# KiCad board LOKUM_PC_ALLWINNER-A64.kicad_pcb (continued)
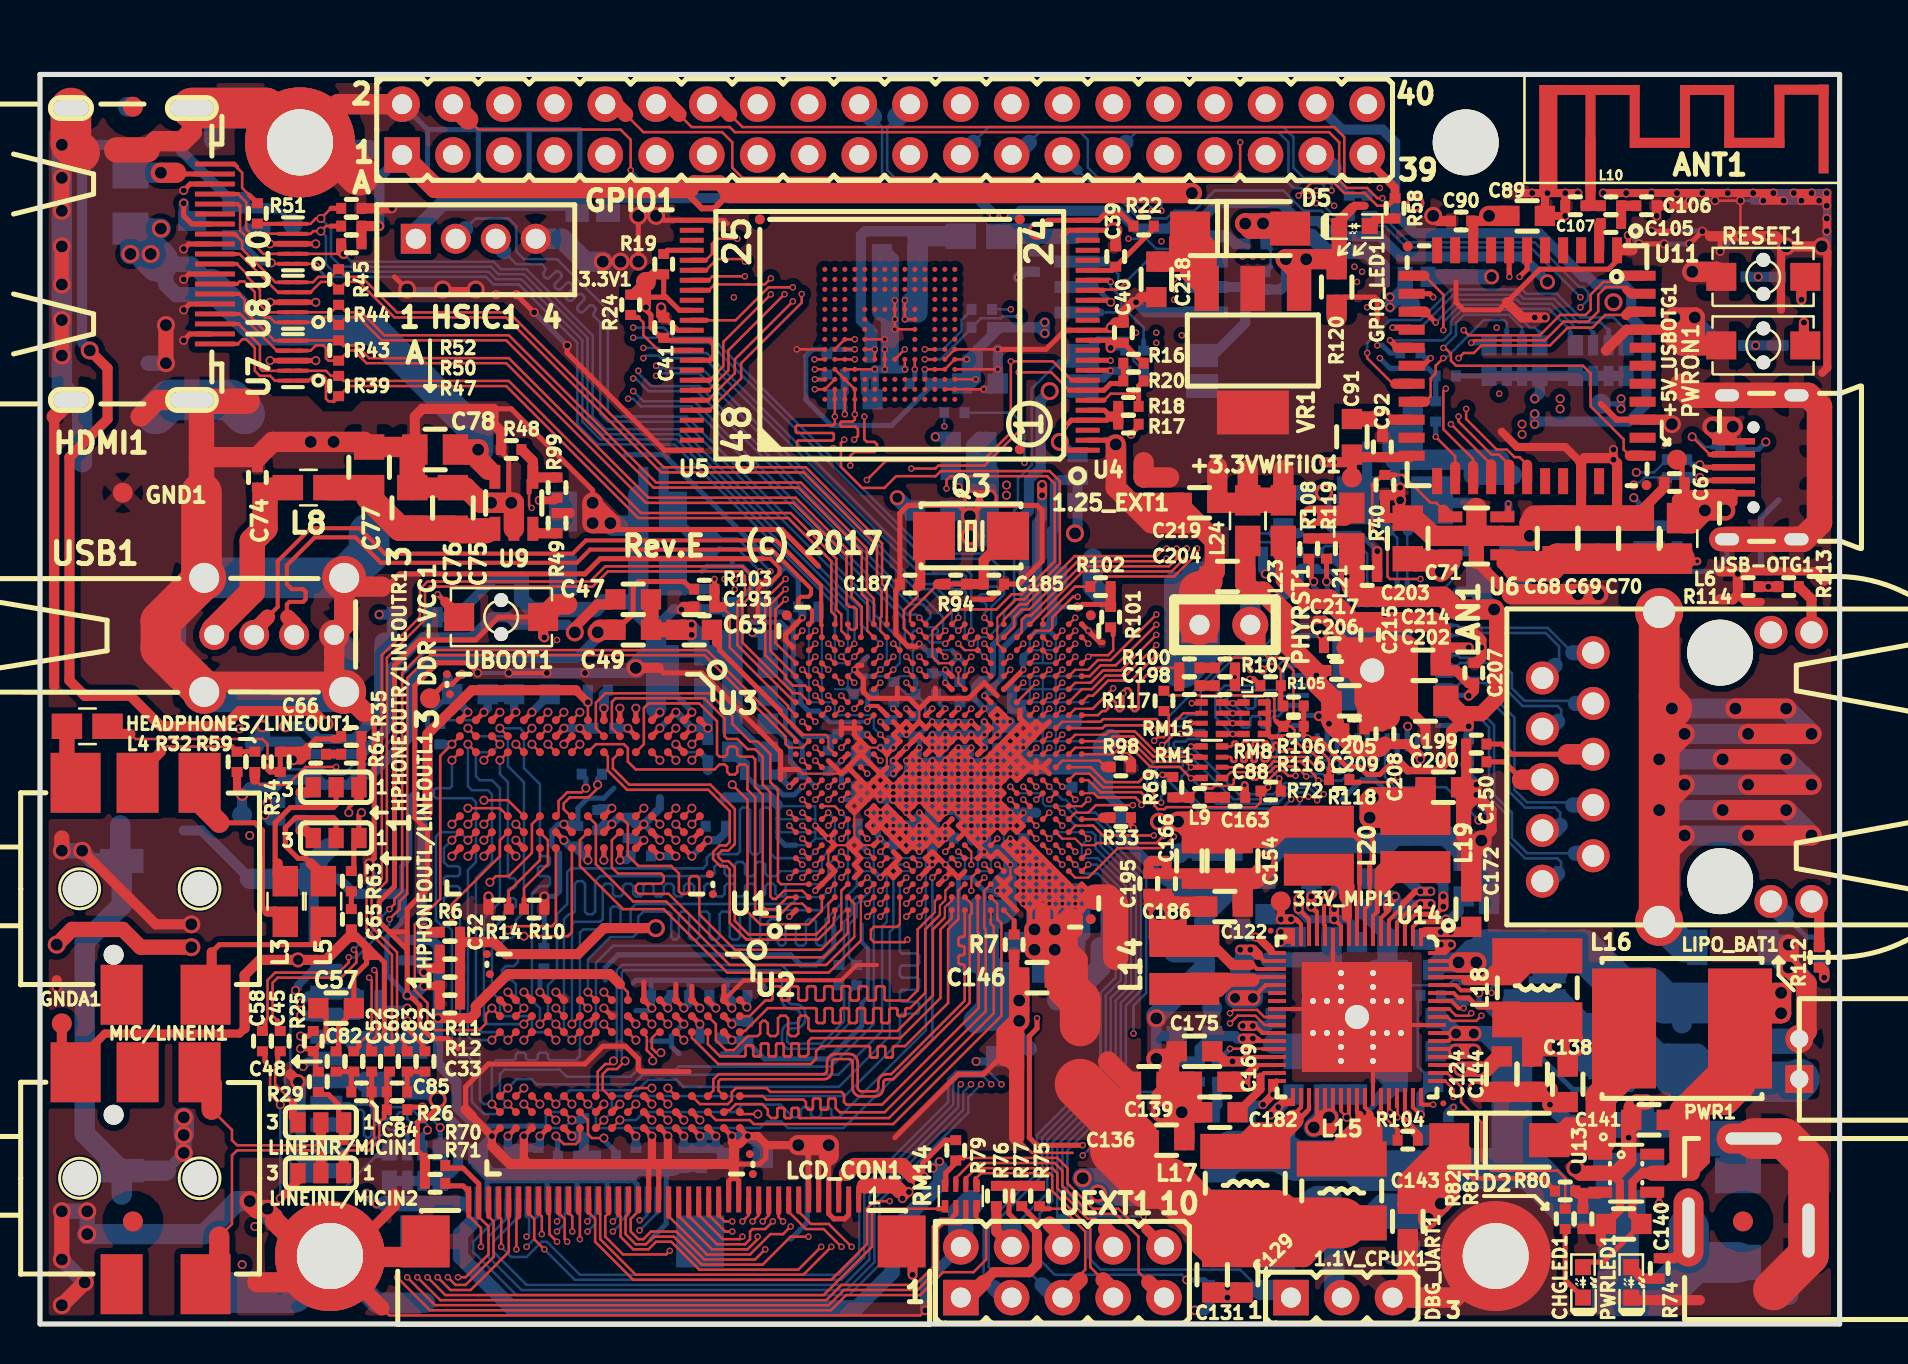
[diagram p0: board, top side]
## Routing (per net, layer and track width the routed paths; a pad name or vN(x,y) marks a point on that pad's centre or on a via; arc(x,y) is an arc through that point) (continued)
  Bottom w0.107: U1.V10 50,26.55 50.15,26.4 50.15,26.05 50.3,25.9 51.28,25.9 51.94,25.25 52.43,25.25
  Bottom w0.127: 61.04,1.7 60.02,2.72 53.03,2.72 52.4,3.35 52.4,4.88 51.13,6.15 51.13,8.81 54.31,11.99 54.31,15.93 55.07,16.69 55.07,22.28 53.29,24.05 53.29,24.69 52.73,25.25 52.43,25.25 ; v5(48.53,26.88) U1.V10
  Bottom w1.016: 61.04,1.7 62.18,1.7 DBG_UART1.1
Net-(FET1-Pad3): length 3.2
  Top w0.254: v3(7.19,56.06) 7.19,55.42 7.59,55.02 8.55,55.02
  Bottom w0.508: v3(7.19,56.06) 7.19,55.59 FET1.3
Net-(FUSE1-Pad2): length 4.1
  Top w0.254: 6.81,57.58 6.87,57.52 8.55,57.52
  Top w1.016: v2(6.05,57.58) 6.81,57.58
  Bottom w1.016: v2(6.05,57.58) 4.52,57.58 FUSE1.2
Net-(GPIO_LED1-Pad2): length 1.4
  Top w0.508: R58.2 66.88,55.3 GPIO_LED1.2
Net-(HDMI1-Pad19): length 3.6
  Top w0.127: 10.49,56.44 10.11,56.82 10.11,57.58 9.86,57.84 9.86,57.89
  Top w0.203: 9.86,57.89 9.72,58.02 8.55,58.02
  Top w0.254: 10.49,56.44 R51.2
Net-(HEADPHONES/LINEOUT1-Pad1): length 9.2
  Top w0.254: 8.58,18.59 8.97,18.97 13.67,18.97 13.79,19.1
  Top w0.508: 13.79,19.23 13.79,19.1 13.79,19.74 L5.2 ; 8.58,18.59 8.58,16.77 HEADPHONES/LINEOUT1.1 ; 8.28,16.21 8.28,16.46
Net-(HEADPHONES/LINEOUT1-Pad2): length 3.5
  Top w0.508: 1.78,26.81 1.78,26.29
  Top w0.762: L4.2 1.35,27.5 HEADPHONES/LINEOUT1.2
Net-(HEADPHONES/LINEOUT1-Pad3): length 9.9
  Top w0.254: 8.97,25.07 10.74,25.07 11.12,24.69 11.12,20.88 11.38,20.62
  Top w0.508: 11.38,20.62 11.76,20.62 L3.2 12.14,20.12 ; 7.98,26.81 7.98,26.06
  Top w1.016: 7.98,26.06 8.97,25.07
Net-(HEADPHONES/LINEOUT1-Pad4): length 7.6
  Top w0.127: 9.6,28.88 6.3,28.88 6.05,28.63
  Top w0.254: 9.6,28.88 R32.1 R59.1
  Top w0.508: 4.88,27.46 6.05,28.63
  Top w0.762: HEADPHONES/LINEOUT1.4 4.88,27.46
  Top w1.016: 4.88,26.81 4.88,27.46
Net-(HPHONEOUTL/LINEOUTL1-Pad2): length 7.7
  Top w0.203: L5.1 14.43,22.4
  Top w0.254: 13.54,23.04 13.28,23.29 12.9,23.29 12.27,23.93 12.27,24.82 12.78,25.32 14.68,25.32 14.81,25.2 HPHONEOUTL/LINEOUTL1.2
  Top w0.508: 13.54,23.04 14.17,22.4 L5.1
Net-(HPHONEOUTR/LINEOUTR1-Pad2): length 7.7
  Top w0.203: L3.1 12.27,22.4
  Top w0.254: 11.89,23.04 11.76,23.17 11.76,25.07 12.52,25.83 14.68,25.83 14.81,25.96 HPHONEOUTR/LINEOUTR1.2
  Top w0.508: 11.89,23.04 11.89,22.53 L3.1
Net-(HSIC1-Pad1): length 9.1
  Bottom w0.762: HSIC_E1.2 26.75,56.06 20.14,56.06 18.79,54.71 HSIC1.1
Net-(HSIC1-Pad2): length 37.5
  Top w0.127: v5(42.68,32.72) U1.H19
  Bottom w0.107: 43,33.05 43,34.11 43,34.22
  Bottom w0.127: 21.28,54.79 21.79,55.3 23.44,55.3 23.83,54.91 23.83,53.65 24.21,53.26 25.86,53.26 28.4,50.72 28.4,45.64 28.65,45.39 32.33,45.39 41.73,35.99 41.73,35.48 43,34.22 ; v5(42.68,32.72) 43,33.05
  Bottom w0.762: 21.28,54.79 20.79,54.3 HSIC1.2
Net-(HSIC1-Pad3): length 37.5
  Top w0.127: v5(42.03,32.72) U1.G19
  Bottom w0.107: 42.35,33.05 42.35,34.34
  Bottom w0.127: 23.19,53.65 23.83,53.01 25.09,53.01 25.22,52.88 25.25,52.85 25.26,52.82 25.27,52.78 25.27,52.74 25.26,52.7 25.25,52.67 25.2,52.6 25.18,52.57 25.17,52.53 25.17,52.49 25.18,52.45 25.2,52.42 25.22,52.39 25.26,52.35 25.29,52.33 25.32,52.31 25.36,52.3 25.4,52.3 25.44,52.31 25.47,52.33 25.5,52.35 25.75,52.6 25.78,52.62 25.82,52.64 25.86,52.65 25.9,52.65 25.93,52.64 25.97,52.62 26,52.6 26.04,52.56 26.06,52.53 26.08,52.5 26.09,52.46 26.09,52.42 26.08,52.38 26.06,52.35 26.04,52.32 25.79,52.07 25.76,52.04 25.75,52 25.74,51.97 25.74,51.93 25.75,51.89 25.76,51.85 25.79,51.82 25.82,51.79 25.85,51.76 25.89,51.75 25.93,51.74 25.97,51.74 26,51.75 26.04,51.76 26.07,51.79 26.32,52.03 26.35,52.06 26.38,52.08 26.42,52.08 26.46,52.08 26.5,52.08 26.53,52.06 26.57,52.03 26.6,52 26.63,51.97 26.64,51.93 26.65,51.89 26.65,51.86 26.64,51.82 26.63,51.78 26.6,51.75 26.35,51.5 26.33,51.47 26.31,51.44 26.3,51.4 26.3,51.36 26.31,51.32 26.33,51.29 26.35,51.26 26.39,51.22 26.42,51.2 26.45,51.18 26.49,51.17 26.53,51.17 26.57,51.18 26.61,51.2 26.64,51.22 26.88,51.47 26.91,51.49 26.95,51.51 26.99,51.52 27.03,51.52 27.07,51.51 27.1,51.49 27.13,51.47 27.17,51.43 27.19,51.4 27.21,51.37 27.22,51.33 27.22,51.29 27.21,51.25 27.19,51.22 27.17,51.19 26.92,50.94 26.89,50.91 26.88,50.87 26.87,50.83 26.87,50.8 26.88,50.76 26.89,50.72 26.92,50.69 26.95,50.66 26.99,50.63 27.02,50.61 27.06,50.61 27.1,50.61 27.14,50.61 27.17,50.63 27.2,50.66 27.45,50.9 27.48,50.93 27.52,50.94 27.55,50.95 27.59,50.95 27.63,50.94 27.67,50.93 27.7,50.9 27.73,50.87 27.76,50.84 27.77,50.8 27.78,50.76 27.78,50.72 27.77,50.69 27.76,50.65 27.71,50.59 27.69,50.55 27.68,50.52 27.68,50.48 27.69,50.44 27.71,50.4 27.73,50.37 28.02,50.09 28.02,45.52 28.4,45.14 32.21,45.14 41.48,35.86 41.48,35.21 42.35,34.34 ; v5(42.03,32.72) 42.35,33.05
  Bottom w0.762: 23.19,53.65 22.79,54.04 HSIC1.3
Net-(L9-Pad2): length 10.7
  Top w0.127: v5(62.8,27.42) 62.42,27.42 62.18,27.66 61.89,27.66 61.46,27.23 61.29,27.23 61.16,27.36 60.97,27.36 60.85,27.23 60.66,27.23 60.53,27.36 59.83,27.36 59.7,27.23 59.7,27.04 59.58,26.91 58.75,26.91 58.62,26.79 58.43,26.79 58.31,26.91 58.03,26.91 57.48,26.36 L9.2
  Top w0.508: R69.2 L9.2
  Bottom w0.127: U15.24 63.87,28.77 63.29,28.18 62.24,28.18 62.18,28.12 62.18,27.93 62.24,27.86 62.6,27.86 62.8,27.67 v5(62.8,27.42)
Net-(L14-Pad1): length 7.5
  Top w0.203: 60.66,17.2 60.81,17.35 U14.21
  Top w0.406: L14.1 57.42,16.56 59,16.56 59.38,16.94 59.38,17.2
  Top w0.66: 60.66,17.2 59.38,17.2
  Top w0.762: L14.1 57.66,17.2 59.38,17.2
Net-(L15-Pad1): length 8.2
  Top w0.203: 66.5,10.47 66.5,10.59 66.26,10.83 U14.44 ; 65.99,10.47 65.86,10.59 U14.43
  Top w0.406: 66.5,10.47 66.5,9.83 66.37,9.7 65.99,10.08 65.99,10.47
  Top w0.762: 66.37,9.7 65.74,9.7 65.1,9.07 L15.1
  Top w1.524: 66.37,9.7 66.37,9.19 65.43,8.25 L15.1
Net-(L17-Pad1): length 8.7
  Top w0.203: 63.39,10.66 63.46,10.73 U14.37 ; U14.36 63.06,10.84 62.69,10.47 62.69,10.21 62.81,10.34
  Top w0.254: 63.39,10.66 63.07,10.34 62.81,10.34
  Top w0.762: 62.18,9.7 60.78,9.7 60.27,9.19 L17.1
  Top w1.016: 62.69,10.21 61.11,8.64 L17.1
Net-(L18-Pad2): length 8.8
  Top w0.203: 71.32,17.2 71.16,17.35 U14.65
  Top w0.508: 71.32,17.2 72.21,17.2 ; 72.21,17.2 72.59,17.2 72.72,17.32 ; 72.21,17.2 73.43,18.42 74.88,18.42
  Top w0.762: 72.72,17.32 73.79,17.32 74.88,18.42
Net-(L19-Pad1): length 8.8
  Top w0.203: 66.88,20.62 66.66,20.41 U14.7
  Top w0.254: 66.88,20.62 66.88,21.39 ; 66.88,21.39 66.88,21.64 67.13,21.89 ; 66.88,21.39 66.88,21.89 67.13,21.89 ; 66.88,21.39 67.13,21.64 67.13,21.89
  Top w0.508: L19.1 67.2,22.85 67,22.66 67,22.02 67.13,21.89
  Top w0.762: 67.13,21.89 68.09,22.85 L19.1
Net-(L20-Pad1): length 4.3
  Top w0.203: 65.35,20.37 65.35,20.24 65.46,20.14 U14.10
  Top w0.508: 65.35,20.37 65.35,21.39
  Top w0.762: L20.1 64.52,22.73 65.35,21.89 65.35,21.39
Net-(LINEINL/MICIN2-Pad2): length 13.8
  Top w0.127: 8.97,4.37 9.6,5 9.6,8.43 9.86,8.69 13.79,8.69 14.05,8.43
  Top w0.254: LINEINL/MICIN2.2 14.05,7.8
  Top w0.508: LINEINL/MICIN2.2 14.05,8.43
  Top w1.016: 8.97,4.37 8.97,2.67 MIC/LINEIN1.1 7.57,2.7
Net-(LINEINR/MICIN1-Pad2): length 10.2
  Top w0.127: 8.58,10.72 9.6,9.7 9.6,9.19 9.86,8.94 13.79,8.94 14.05,9.19
  Top w0.508: LINEINR/MICIN1.2 14.05,9.19
  Top w0.762: MIC/LINEIN1.3 7.98,12.02
  Top w1.016: 8.58,10.72 8.58,11.99 MIC/LINEIN1.3
Net-(MICRO_SD1-Pad5): length 62.6
  Top w0.254: v5(54.69,24.82) 54.56,24.94 R33.1
  In3.Cu w0.127: v3(13.16,12.88) 13.54,12.5 13.54,9.45 13.92,9.07 17.73,9.07 18.52,8.28 18.52,8.08 18.34,7.91 18.34,7.71 18.54,7.52 18.73,7.52 19.28,8.07 19.47,8.07 19.67,7.87 19.67,7.68 19.12,7.13 19.12,6.93 19.31,6.74 19.51,6.74 20.06,7.29 20.25,7.29 20.45,7.09 20.45,6.9 20.27,6.72 20.27,6.53 20.52,6.27 33.22,6.27 34.24,7.29 39.7,7.29 43.38,10.97 44.15,10.97 45.8,12.62 48.63,12.62 54.43,18.42 54.43,24.56 v5(54.69,24.82)
  Bottom w0.406: v3(13.16,12.88) 13.41,13.13 14.17,13.13 14.31,13.27
Net-(NAND_E1-Pad2): length 3.6
  Top w0.254: v5(53.54,47.68) 53.51,47.7 U4.9
  Bottom w0.406: NAND_E1.2 52.53,47.3 53.16,47.3 v5(53.54,47.68) R15.1
Net-(PWRLED1-Pad2): length 1.6
  Top w0.508: PWRLED1.2 80.15,2.27 R74.2
Net-(PWRON1-Pad1): length 2.3
  Top w0.508: v3(88.21,50.09) 88.21,49.01 PWRON1.1
  Bottom w0.508: v3(88.21,50.09) R91.1
Net-(R3-Pad2): length 4.5
  Top w0.127: v5(41.38,21.03) U1.G2
  Bottom w0.127: v5(41.38,21.03) 41.27,21.13 40.97,21.13 40.84,21.01 40.84,20.37 40.46,19.99 40.46,18.34 R3.2
Net-(R4-Pad2): length 5
  Top w0.127: v5(41.38,21.67) U1.G3
  Bottom w0.127: v5(41.38,21.67) 41.38,21.54 41.22,21.39 40.84,21.39 40.59,21.13 40.59,20.5 40.21,20.12 40.21,18.21 R4.2
Net-(R7-Pad2): length 1.4
  Top w0.127: U1.U1 48.72,20.18
  Top w0.254: 48.72,20.18 R7.2
Net-(R9-Pad1): length 3.3
  Top w0.127: v3(28.2,9.3) 27.6,9.3 27.4,9.5 27.4,10.2 U2.L8
  Bottom w0.254: v3(28.2,9.3) 28.2,9.2 28.81,8.59 R9.1
Net-(R10-Pad1): length 4.5
  Top w0.127: 24.21,21.26 24.21,21.81 25.4,23 25.4,24.2 U3.L8
  Top w0.254: 24.21,21.26 R10.1
Net-(R13-Pad1): length 3.1
  Top w0.127: v3(25.8,9.4) 26.2,9 26.8,9 27,9.2 U2.L9
  Bottom w0.254: R13.1 25.89,9.31 v3(25.8,9.4)
Net-(R14-Pad1): length 3.7
  Top w0.127: 23.44,21.26 23.44,21.64 25,23.2 U3.L9
  Top w0.254: 23.44,21.26 R14.1
Net-(R18-Pad1): length 4.1
  Top w0.127: 54.94,46.53 53.54,46.53 53.21,46.2
  Top w0.254: R20.2 54.94,46.91 R18.1 ; U4.6 53.21,46.2
Net-(R19-Pad1): length 1.5
  Top w0.254: R19.1 31.38,53.7 U4.28
Net-(R24-Pad2): length 4.2
  Top w0.127: 29.92,50.34 30.18,50.09 30.18,49.45 30.93,48.7 31.7,48.7
  Top w0.254: 31.69,48.7 U4.38 ; 29.92,50.34 29.67,50.34 R24.2
Net-(R41-Pad2): length 1.4
  Top w0.254: v5(73.43,41.02) 73.43,40.67 U6.3
  Bottom w0.406: v5(73.43,41.02) 73.43,40.49 R41.2
Net-(R49-Pad2): length 1.3
  Top w0.508: R49.2 24.87,39.55 U9.3
Net-(R54-Pad1): length 1.7
  Top w0.254: v5(69.54,48.31) 69.16,47.93 U11.17
  Bottom w0.254: v5(69.54,48.31) 69.29,48.31 R54.1
Net-(R55-Pad1): length 7.4
  Bottom w0.508: R55.1 60.15,51.87 U12.3 ; R55.1 60.27,50.07 58.64,48.44 WP_Enable1.2 ; R55.1 R56.1
Net-(R57-Pad1): length 6.7
  Bottom w0.127: 55.19,49.2 55.19,49.84 54.31,50.72 54.31,51.49 53.92,51.87 53.92,52.5 53.29,53.14
  Bottom w0.254: 55.19,49.2 R57.1
  Bottom w0.508: U12.7 53.29,53.14
Net-(R60-Pad1): length 3.4
  Top w0.127: 70.77,42.89 70.77,43.4 v5(69.8,44.37)
  Top w0.508: U11.24 70.77,42.89
  Bottom w0.254: R60.1 v5(69.8,44.37)
Net-(R66-Pad1): length 8.6
  Top w0.127: U5.H5 v5(43.25,48.75)
  In3.Cu w0.127: v5(45.22,44.9) 45.22,47.61 45.1,47.74 44.72,47.74 44.59,47.87 44.59,48.12 44.72,48.25 45.1,48.25 45.22,48.37 45.22,48.63 45.1,48.76 44.73,48.76 44.59,48.9 44.59,49.07 44.41,49.25 43.75,49.25 v5(43.25,48.75)
  Bottom w0.127: v5(45.22,44.9) R66.1
Net-(R68-Pad1): length 4
  Top w0.127: U5.M6 v5(44.25,48.75)
  Bottom w0.127: v5(44.25,48.75) 45.17,48.75 46.09,49.67 46.09,50.23 46.59,50.73 R68.1
Net-(R72-Pad2): length 4.9
  Top w0.254: R72.2 61.98,26.73 v5(61.98,27.28) 61.99,27.28
  Bottom w0.127: 63.21,29.94 U15.25 62.32,29.94 61.61,29.22 61.61,28.94 61.85,28.7 61.85,28.36 61.61,28.12 61.61,27.66 v5(61.98,27.28)
Net-(R79-Pad2): length 14.2
  Top w0.127: 46.18,8.31 50.88,8.31 51.38,7.8 51.38,7.04 52.65,5.77 53.92,5.77 54.56,5.13 54.94,5.13 55.32,4.75
  Top w0.254: 45.3,6.91 45.3,7.56 45.8,8.05 R79.2 45.92,8.31 46.18,8.31
  Top w0.508: 55.32,4.75 UEXT1.10
Net-(R80-Pad2): length 2.1
  Top w0.508: 77.16,6.53 77.96,6.53 U13.3 ; 77.16,6.53 R81.1 ; 77.16,6.53 76.91,6.53 R80.2
Net-(R82-Pad1): length 11.7
  Top w0.127: 70.38,12.55 71.07,11.86 71.07,11.1 72.09,10.08 72.09,8.18 72.59,7.67 75.9,7.67 76.28,7.29 R82.1
  Top w0.203: U14.53 70.38,12.55
Net-(R83-Pad1): length 3.3
  Top w0.127: v5(59.51,13.77) 61.15,13.77 61.16,13.75
  Top w0.203: 61.18,13.75 61.16,13.75 U14.30
  Bottom w0.254: R83.1 v5(59.51,13.77)
Net-(R86-Pad1): length 46.1
  Top w0.127: U14.26 61.23,15.35 60.87,15.71 59.68,15.71 v5(59.51,15.55)
  In2.Cu w0.127: v3(79.83,42.6) 79.58,42.34 75.51,42.34 73.74,40.56 72.85,40.56 71.58,39.29 69.93,39.29 68.4,37.77 68.4,36.63 67.89,36.12 67.89,30.78 67.08,29.97 67.08,26.83 67.28,26.64 67.28,25.09 66.88,24.69 65.86,24.69 65.35,24.18 65.35,20.24 64.85,19.74 63.45,19.74 61.29,17.58 61.29,15.93 61.04,15.67 59.64,15.67 v5(59.51,15.55)
  Bottom w0.127: R86.1 80.72,42.6 v3(79.83,42.6)
Net-(R87-Pad1): length 46.1
  Top w0.127: v5(59.51,15.04) 59.89,15.42 60.78,15.42 61.25,14.95 U14.27
  In2.Cu w0.127: v5(59.51,15.04) 59.89,15.42 61.16,15.42 61.54,15.8 61.54,17.45 63.58,19.48 64.97,19.48 65.61,20.12 65.61,24.05 65.99,24.44 67,24.44 67.51,24.94 67.51,26.73 67.34,26.91 67.34,29.85 68.15,30.66 68.15,35.99 68.66,36.5 68.66,37.64 70.05,39.04 71.7,39.04 72.97,40.31 73.86,40.31 75.64,42.09 79.26,42.09 79.39,41.96 v3(79.71,41.96)
  Bottom w0.127: R87.1 80.26,42.34 80,42.09 79.83,42.09 v3(79.71,41.96)
Net-(R89-Pad1): length 2.4
  Top w0.508: v3(88.09,51.23) 88.09,52.18 RESET1.1
  Bottom w0.508: v3(88.09,51.23) R89.1
Net-(R94-Pad1): length 3
  Top w0.127: 44.91,37.01 43.51,35.61 43.51,35.14 U1.K23
  Top w0.508: 44.91,37.01 R94.1
Net-(R96-Pad1): length 14.5
  Top w0.127: U1.H14 v5(42.03,29.47)
  Bottom w0.107: 39.1,31.1 38.57,31.1 38.45,31.22 38.45,34.87 38.94,35.36 38.94,35.26 39.1,35.1 39.1,31.1 ; 39.1,31.1 39.62,31.1 39.75,30.97 39.75,30.58 39.88,30.45 41.57,30.45 41.7,30.33 41.7,29.8
  Bottom w0.127: v5(42.03,29.47) 41.7,29.8
  Bottom w0.508: 38.94,35.36 R96.1
Net-(R97-Pad1): length 1
  Top w0.127: v5(51.12,26.88) U1.AA11
  Bottom w0.254: R97.1 51.15,26.85 v5(51.12,26.88)
Net-(R98-Pad1): length 3
  Top w0.107: 51.12,28.17 52.72,28.17
  Top w0.127: U1.AA12 51.12,28.17 ; 53.29,27.86 52.98,28.17 52.72,28.17
  Top w0.508: 53.54,27.86 53.29,27.86
Net-(R100-Pad2): length 7.5
  Top w0.127: R107.1 58.75,32.84 59.23,33.33 60.27,33.33 60.53,33.07 v5(60.53,32.71)
  Top w0.508: R100.2 R107.1
  Bottom w0.127: 62.4,34.94 62.18,34.72 62.18,34.09 61.29,33.2 60.45,33.2 60.36,33.1 60.36,32.88 v5(60.53,32.71)
  Bottom w0.254: 62.4,34.94 U15.35
Net-(R105-Pad2): length 5.4
  Top w0.127: R105.2 62.05,32.73 61.77,33.01 61.45,33.01 v3(61.14,32.71)
  Top w0.254: R105.2 62.05,31.04 R106.2
  Bottom w0.127: v3(61.14,32.71) 62.37,33.94 62.54,33.94
  Bottom w0.254: U15.33 62.54,33.94
Net-(R109-Pad2): length 4.2
  Bottom w0.127: R110.2 65.1,38.91 64.27,38.91 63.96,38.6
  Bottom w0.254: R110.2 65.87,38.14 U15.41
Net-(R111-Pad2): length 36.1
  Top w0.508: R112.2 89.04,17.83 89.23,17.64 v3(89.23,17.32) 89.23,17.58
  In3.Cu w0.127: v3(71.96,25.2) 71.45,24.69 71.45,20.62 74.75,17.32 84.15,17.32 86.56,19.74 88.59,19.74 89.23,19.1 v3(89.23,17.32)
  Bottom w0.127: 67.26,28.5 67.26,27.36 67.77,26.85 70.31,26.85 v3(71.96,25.2)
  Bottom w0.203: 67.26,28.5 67.37,28.61 U15.17
  Bottom w0.508: v3(89.23,17.32) 89.23,17.83 88.98,18.08
Net-(R113-Pad2): length 33.3
  Top w0.508: R113.2 v3(86.44,36.88) R114.2
  In2.Cu w0.127: v3(68.4,29.9) 68.66,30.15 68.66,35.74 69.42,36.5 69.42,38.02 70.05,38.66 74.75,38.66 76.4,40.31 80.21,40.31 81.36,41.45 84.53,41.45 84.66,41.58 86.06,41.58 86.31,41.33 86.31,37.01 v3(86.44,36.88)
  Bottom w0.254: v3(68.4,29.9) 68.37,29.87 U15.15
Net-(R115-Pad1): length 4.1
  Bottom w0.127: 69.54,36.75 70.18,36.75 70.81,37.39 70.81,38.28 71.07,38.53
  Bottom w0.254: 69.54,36.75 69.37,36.58 U15.48 ; 71.07,38.53 71.32,38.53 R115.1
Net-(R119-Pad1): length 2
  Top w0.254: v3(64.34,37.13) R119.1
  Bottom w0.254: v3(64.34,37.13) 64.37,37.1 U15.38
Net-(RM1-Pad1.1): length 9.6
  Top w0.127: v5(63.32,27.39) 62.82,27.9 61.79,27.9 61.5,27.6 59.55,27.6 59.26,27.31 RM1.1.1
  Bottom w0.127: v5(63.32,27.39) 63.61,27.39 63.74,27.52 64.13,27.52 64.21,27.43 64.39,27.43 64.59,27.64 64.8,27.64 64.9,27.53 65.02,27.53 65.1,27.61 65.1,27.74 64.97,27.86 64.97,27.99 65.04,28.05 65.16,28.05 65.32,27.9 65.39,27.9 65.47,27.98 65.47,28.07 65.29,28.25 65.29,28.35 65.37,28.44 65.48,28.44 65.61,28.31 65.8,28.31 65.87,28.38 U15.20
Net-(RM1-Pad2.1): length 9
  Top w0.127: RM1.2.1 61.42,27.85 61.7,28.13 63.06,28.13 63.77,27.41 63.77,27.35 v5(63.94,27.18)
  Bottom w0.127: v5(63.94,27.18) 65.1,27.18 66.37,28.46 U15.19
Net-(RM1-Pad3.1): length 9.9
  Top w0.127: v5(63.94,27.85) 63.81,27.85 63.3,28.36 61.6,28.36 61.38,28.14 61.18,28.14 61.1,28.22 61.1,28.49 61.02,28.56 60.92,28.56 60.85,28.49 60.85,28.18 60.78,28.12 60.66,28.12 60.59,28.18 60.59,28.56 60.53,28.63 60.4,28.63 60.34,28.56 60.34,28.18 60.27,28.12 60.15,28.12 60.08,28.18 60.08,28.56 60.02,28.63 59.89,28.63 59.83,28.56 59.83,28.18 59.77,28.12 59.64,28.12 59.58,28.18 59.58,28.31 59.52,28.36 59.12,28.36 59.11,28.35 RM1.3.1
  Bottom w0.127: U15.21 65.37,28.77 64.46,27.85 v5(63.94,27.85)
Net-(RM1-Pad4.1): length 9
  Top w0.127: RM1.4.1 59.58,28.89 59.64,28.95 59.64,29.07 59.7,29.13 59.83,29.13 59.89,29.07 59.89,28.94 59.95,28.89 60.09,28.89 60.15,28.94 60.15,29.07 60.21,29.13 60.34,29.13 60.4,29.07 60.4,28.95 60.46,28.89 60.6,28.89 60.66,28.94 60.66,29.07 60.72,29.13 60.85,29.13 60.91,29.07 60.91,28.95 60.97,28.89 61.11,28.89 61.16,28.94 61.16,29.07 61.23,29.13 61.35,29.13 61.42,29.07 61.42,28.69 61.48,28.63 61.61,28.63 61.67,28.69 61.67,29.01 61.73,29.07 61.86,29.07 61.93,29.01 61.93,28.69 61.99,28.63 62.31,28.63 62.43,28.75 62.62,28.75 62.78,28.6 63.61,28.6 v5(63.92,28.28)
  Bottom w0.127: v5(63.92,28.28) 64.02,28.19 64.34,28.19 64.87,28.72 U15.22
Net-(RM14-Pad1.1): length 11.7
  Top w0.127: 53.16,2.21 52.53,2.84 52.53,4.75 50.62,6.66 50.62,7.42 50.5,7.54 47.07,7.54 46.8,7.28
  Top w0.254: 46.8,6.91 46.8,7.28
  Top w0.762: 53.16,2.21 53.67,1.7 UEXT1.7
Net-(RM14-Pad2.1): length 10.3
  Top w0.127: 46.3,7.29 46.81,7.8 50.62,7.8 50.88,7.54 50.88,6.78 52.4,5.26 52.78,5.26 53.29,4.75
  Top w0.254: RM14.2.1 46.3,7.29
  Top w0.762: 53.29,4.75 53.67,4.37 UEXT1.8
Net-(RM14-Pad3.1): length 15.4
  Top w0.127: 55.45,2.08 54.94,2.59 54.94,4.37 53.8,5.51 52.53,5.51 51.13,6.91 51.13,7.67 50.75,8.05 46.56,8.05 45.8,7.29
  Top w0.254: 45.8,7.29 45.8,7.17 45.8,7.17 RM14.3.1
  Top w0.762: 55.45,2.08 UEXT1.9
Net-(RM15-Pad1.1): length 8.5
  Top w0.254: RM8.1.2 v5(59.65,29.51) RM15.1.1
  Bottom w0.127: 62.43,33.44 60.93,31.93 59.25,31.93 58.78,31.46 58.78,30.35 59.62,29.51 v5(59.65,29.51)
  Bottom w0.254: 62.42,33.44 U15.32
Net-(RM15-Pad2.1): length 7.8
  Top w0.254: RM15.2.1 v5(59.65,30.05) RM8.2.2
  Bottom w0.127: v5(59.65,30.05) 59.02,30.68 59.02,31.3 59.42,31.7 62.05,31.7 62.18,31.83 62.18,32.69 62.43,32.94
  Bottom w0.254: 62.43,32.94 U15.31
Net-(RM15-Pad3.1): length 7.9
  Top w0.254: RM8.3.2 v5(59.65,30.55) RM15.3.1
  Bottom w0.127: 62.45,31.44 62.43,31.42 62.06,31.42 61.93,31.28 61.93,30.78 61.8,30.66 61.54,30.66 61.42,30.78 61.42,31.29 61.29,31.42 60.91,31.42 60.78,31.29 60.78,30.9 60.67,30.78 60.39,30.78 60.27,30.9 60.27,31.29 60.15,31.42 59.47,31.42 59.3,31.25 59.3,30.9 v5(59.65,30.55)
  Bottom w0.254: 62.45,31.44 U15.28
Net-(RM15-Pad4.1): length 7
  Top w0.254: RM8.4.2 60.15,31.05 v5(59.65,31.05) 59.15,31.05 RM15.4.1
  Bottom w0.127: 62.46,30.94 61.93,30.4 61.7,30.4 61.54,30.25 61.54,29.92 61.46,29.83 61.12,29.83 61.04,29.92 61.04,30.3 60.93,30.4 60.63,30.4 60.53,30.3 60.53,29.95 60.41,29.83 60.15,29.83 60.04,29.94 60.04,30.66 v5(59.65,31.05)
  Bottom w0.254: 62.46,30.94 U15.27
Net-(T1-Pad3): length 10.7
  Top w0.127: 70.27,12.15 70.69,11.73 v5(70.69,11.35)
  Top w0.203: U14.52 70.27,12.15
  In3.Cu w0.127: v5(72.59,16.56) 72.97,16.18 72.97,11.48 72.47,10.97 71.07,10.97 v5(70.69,11.35)
  Bottom w0.127: 72.99,17.21 72.59,16.81 v5(72.59,16.56)
  Bottom w0.356: 72.99,17.21 T1.3

## Copper pours and planes (outline as drawn; the poured copper is in the pictures)
1.1V_CPUX on Top: 51.13,18.47 49.61,18.21 49.61,9.32 49.73,9.19 51.89,9.19 51.89,7.92 54.69,5 56.34,5 57.48,3.86 57.48,2.84 63.83,2.84 63.83,5.89 62.94,6.78 58.88,6.78 55.7,8.18 55.07,9.83 55.07,23.8 54.94,23.8 54.94,24.56 52.65,24.56 52.65,22.28 51.13,22.28
1.1V_CPUX on In4.Cu: 48.84,14.78 52.02,14.78 52.02,22.02 51.38,22.02 49.1,24.31 47.45,24.31 47.45,23.8 48.84,22.4
1.1V_SYS on In4.Cu: 57.23,24.56 54.69,24.56 52.27,27.1 49.35,27.1 48.08,28.37 43.26,28.37 41.86,26.47 37.67,26.47 37.29,26.85 37.29,31.29 44.15,31.29 44.15,30.02 46.81,30.02 46.94,30.15 47.7,30.15 47.7,29.26 48.29,29.24 49.61,30.53 51.89,30.56 53.29,31.93 53.29,35.99 58.37,35.99 58.37,25.7
+1.5V on In4.Cu: 37.16,28.75 37.16,26.72 37.54,26.34 41.35,26.34 41.73,25.96 45.03,25.96 45.03,25.32 45.67,25.32 48.59,22.4 48.59,15.67 48.34,15.42 48.34,14.66 52.15,14.66 52.15,22.02 52.65,22.02 54.56,23.93 54.56,24.44 57.23,24.44 58.5,25.7 58.5,27.1 66.62,27.1 67.13,26.59 67.13,24.31 66.37,23.55 61.16,23.55 58.75,21.13 55.57,21.13 55.57,12.62 54.05,11.1 42.49,11.1 40.84,9.45 36.53,9.45 36.53,7.54 21.28,7.54 21.28,10.08 19.51,11.86 19.51,15.04 18.49,16.05 18.49,32.06 19.38,32.94 23.32,32.94 24.71,34.34 31.57,34.34
+3V3 on In4.Cu: 95.58,-4.14 -6.02,-4.14 -6.02,66.98 95.58,66.98
+3V3 on In4.Cu: 36.5,35.97 36.53,31.42 44.27,31.42 44.3,30.12 46.25,30.12 46.4,30.28 47.83,30.28 47.83,29.52 48.34,29.52 49.61,30.78 51.79,30.76 53.16,32.08 53.16,35.99 36.78,35.99
GND on Top: 105.99,-14.3 -15.93,-14.3 -15.93,77.14 105.99,77.14
GND on Top: 74.85,56.77 89.8,56.77 89.8,52.88 74.85,52.88
GND on Top: 52.91,19.74 37.16,19.74 37.29,34.09 35,34.09 35.13,38.15 37.92,38.15 37.92,35.48 52.91,35.48
GND on Bottom: 93.04,-1.6 -3.48,-1.6 -3.48,64.44 93.04,64.44
GND on Bottom: 53.57,19.82 37.06,19.82 37.16,36.5 53.67,36.5
GND on In1.Cu: 103.2,-11.76 -13.64,-11.76 -13.64,74.6 103.2,74.6
GND on In2.Cu: -11.1,72.06 -11.1,-9.22 100.66,-9.22 100.66,72.06
GND on In3.Cu: 98.12,-6.68 -8.56,-6.68 -8.56,69.52 98.12,69.52
GND on In4.Cu: 43.26,28.25 48.08,28.25 48.72,27.48 48.72,27.1 48.97,26.85 52.27,26.85 54.43,24.69 54.43,23.93 52.65,22.15 51.51,22.15 49.22,24.44 46.69,24.44 45.67,25.45 45.16,25.45 45.16,26.09 41.73,26.09
/USB&HDMI,WiFi&BT,Ethernet,LCD/1.25_EXT on Top: 67.51,57.27 57.35,57.2 57.35,50.6 54.56,50.6 54.69,41.96 56.46,40.18 64.72,40.18 64.72,46.02 67.51,46.02
IPS on In4.Cu: 60.02,19.1 59.26,18.34 59.26,12.12 62.18,9.19 69.29,9.19 71.07,10.97 71.07,11.99 72.21,13.13 72.21,17.2 72.47,17.45 72.47,18.34 71.96,18.85 70.31,18.85 70.05,19.1 70.05,21.89 67.51,21.89 67.13,21.51 62.94,21.51 62.69,21.01 60.78,19.1
Net-(C196-Pad2) on Top: 80.97,35.61 89.61,35.61 89.61,20.12 80.97,20.12
Net-(C196-Pad2) on Bottom: 80.97,35.61 89.61,35.61 89.61,20.12 80.97,20.12
Net-(C196-Pad2) on In1.Cu: 80.97,35.61 89.61,35.61 89.61,20.12 80.97,20.12
Net-(C196-Pad2) on In2.Cu: 80.97,35.61 89.61,35.61 89.61,20.12 80.97,20.12
Net-(C196-Pad2) on In3.Cu: 80.97,35.61 89.61,35.61 89.61,20.12 80.97,20.12
Net-(C196-Pad2) on In4.Cu: 80.97,35.61 89.61,35.61 89.61,20.12 80.97,20.12

## Text on the board
B.Silkscreen: 20 | GND | 5V_ONLY | Tx | Rx | 1 | 3 | 2
Top: 6 Layers PCB!!! / Total approved errors: 80
F.Silkscreen: 3 | 1 | 2 | A | 4 | Rev.E | (c) 2017 | 10 | 40 | 39
